# Altium PCB GroundSupport.PcbDoc
Units mm, origin at the board's own origin, x right, y up, seen from the top; angles counter-clockwise.
Board outline 215 x 187.5 mm, 4 copper layers (Top Layer, GND, PWR, Bottom Layer), stack 0.603 mm thick; 23 components, 37 nets, 169 pads, 12 vias.
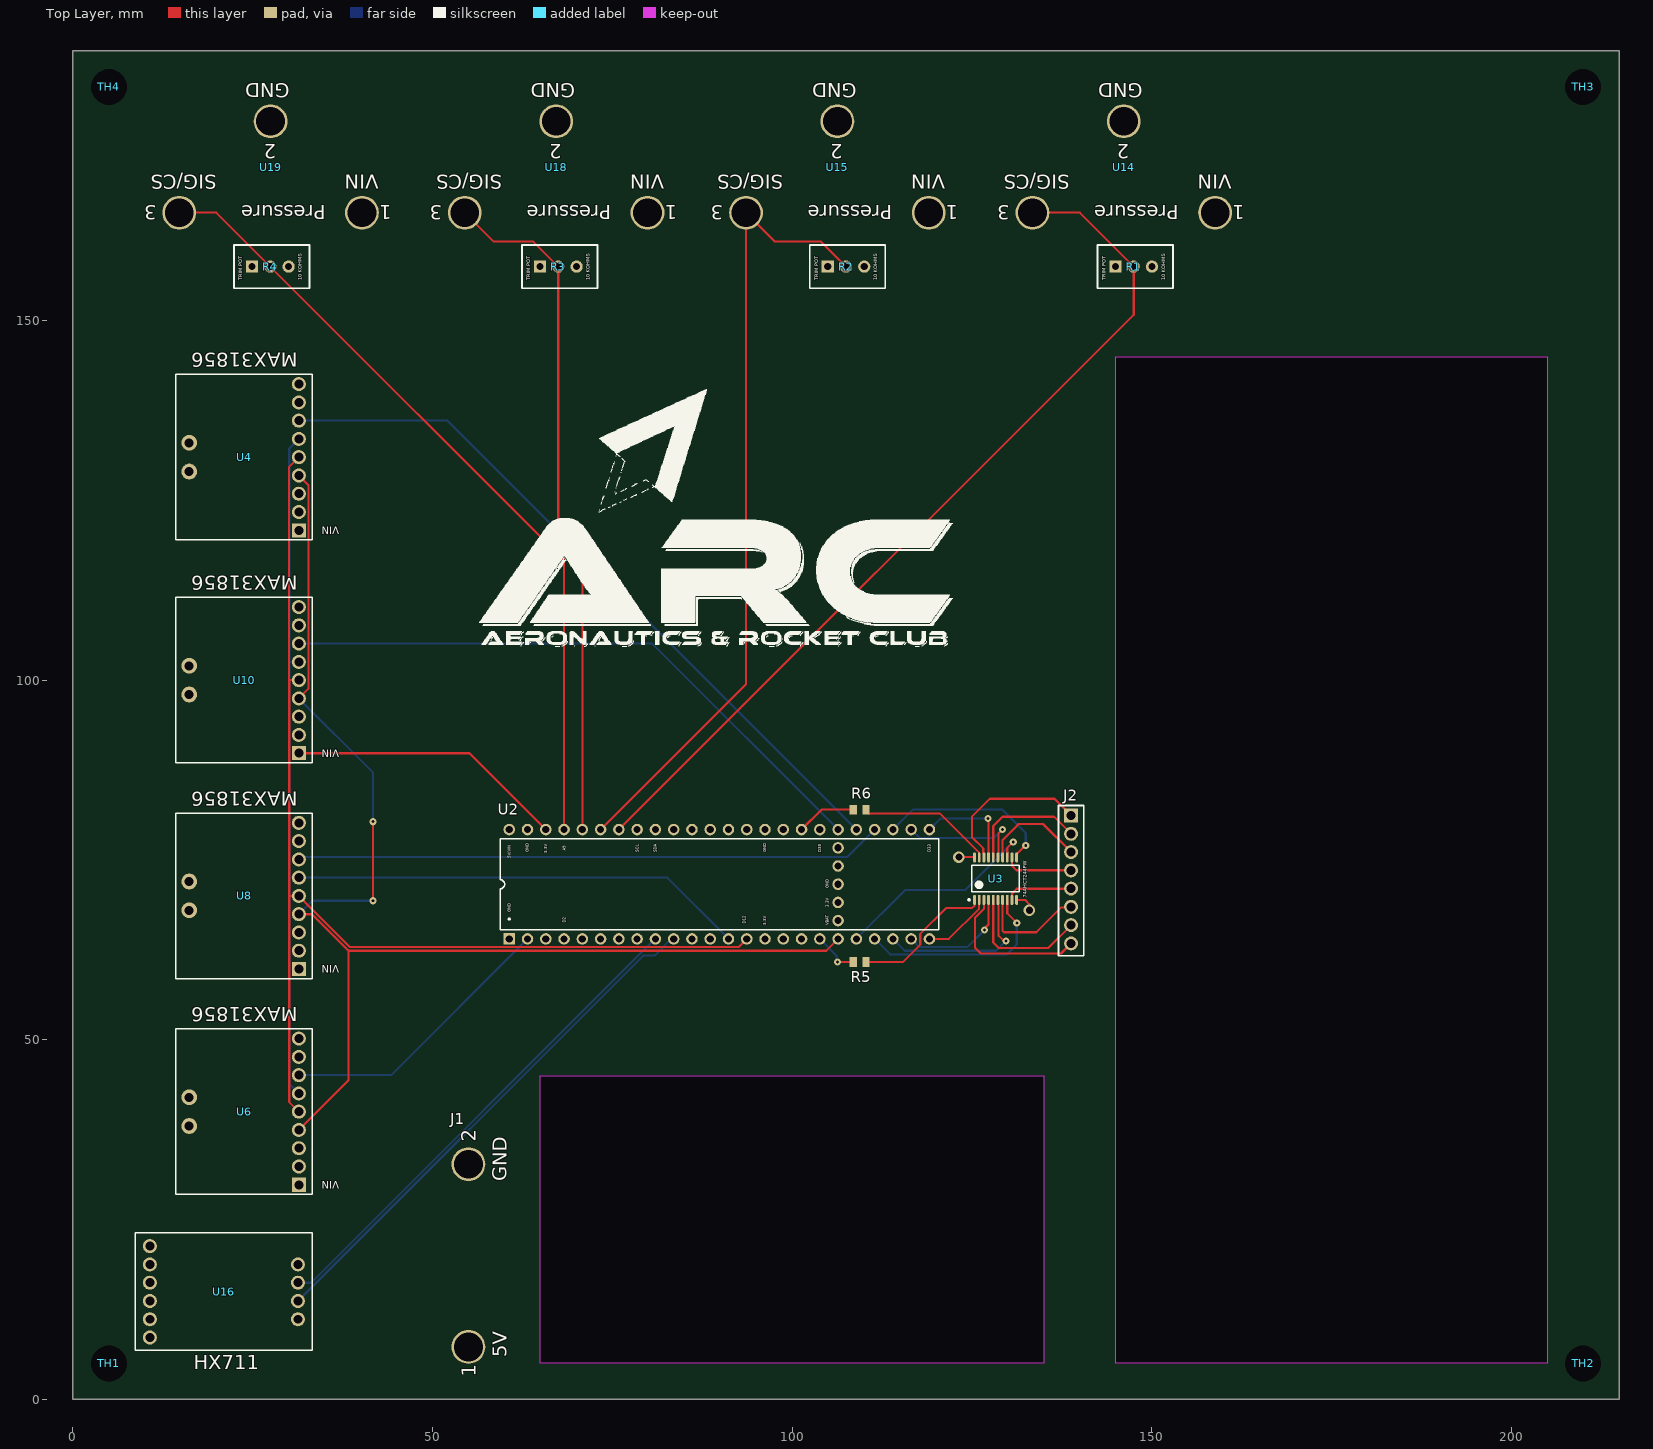
[diagram p0: Top Layer view]
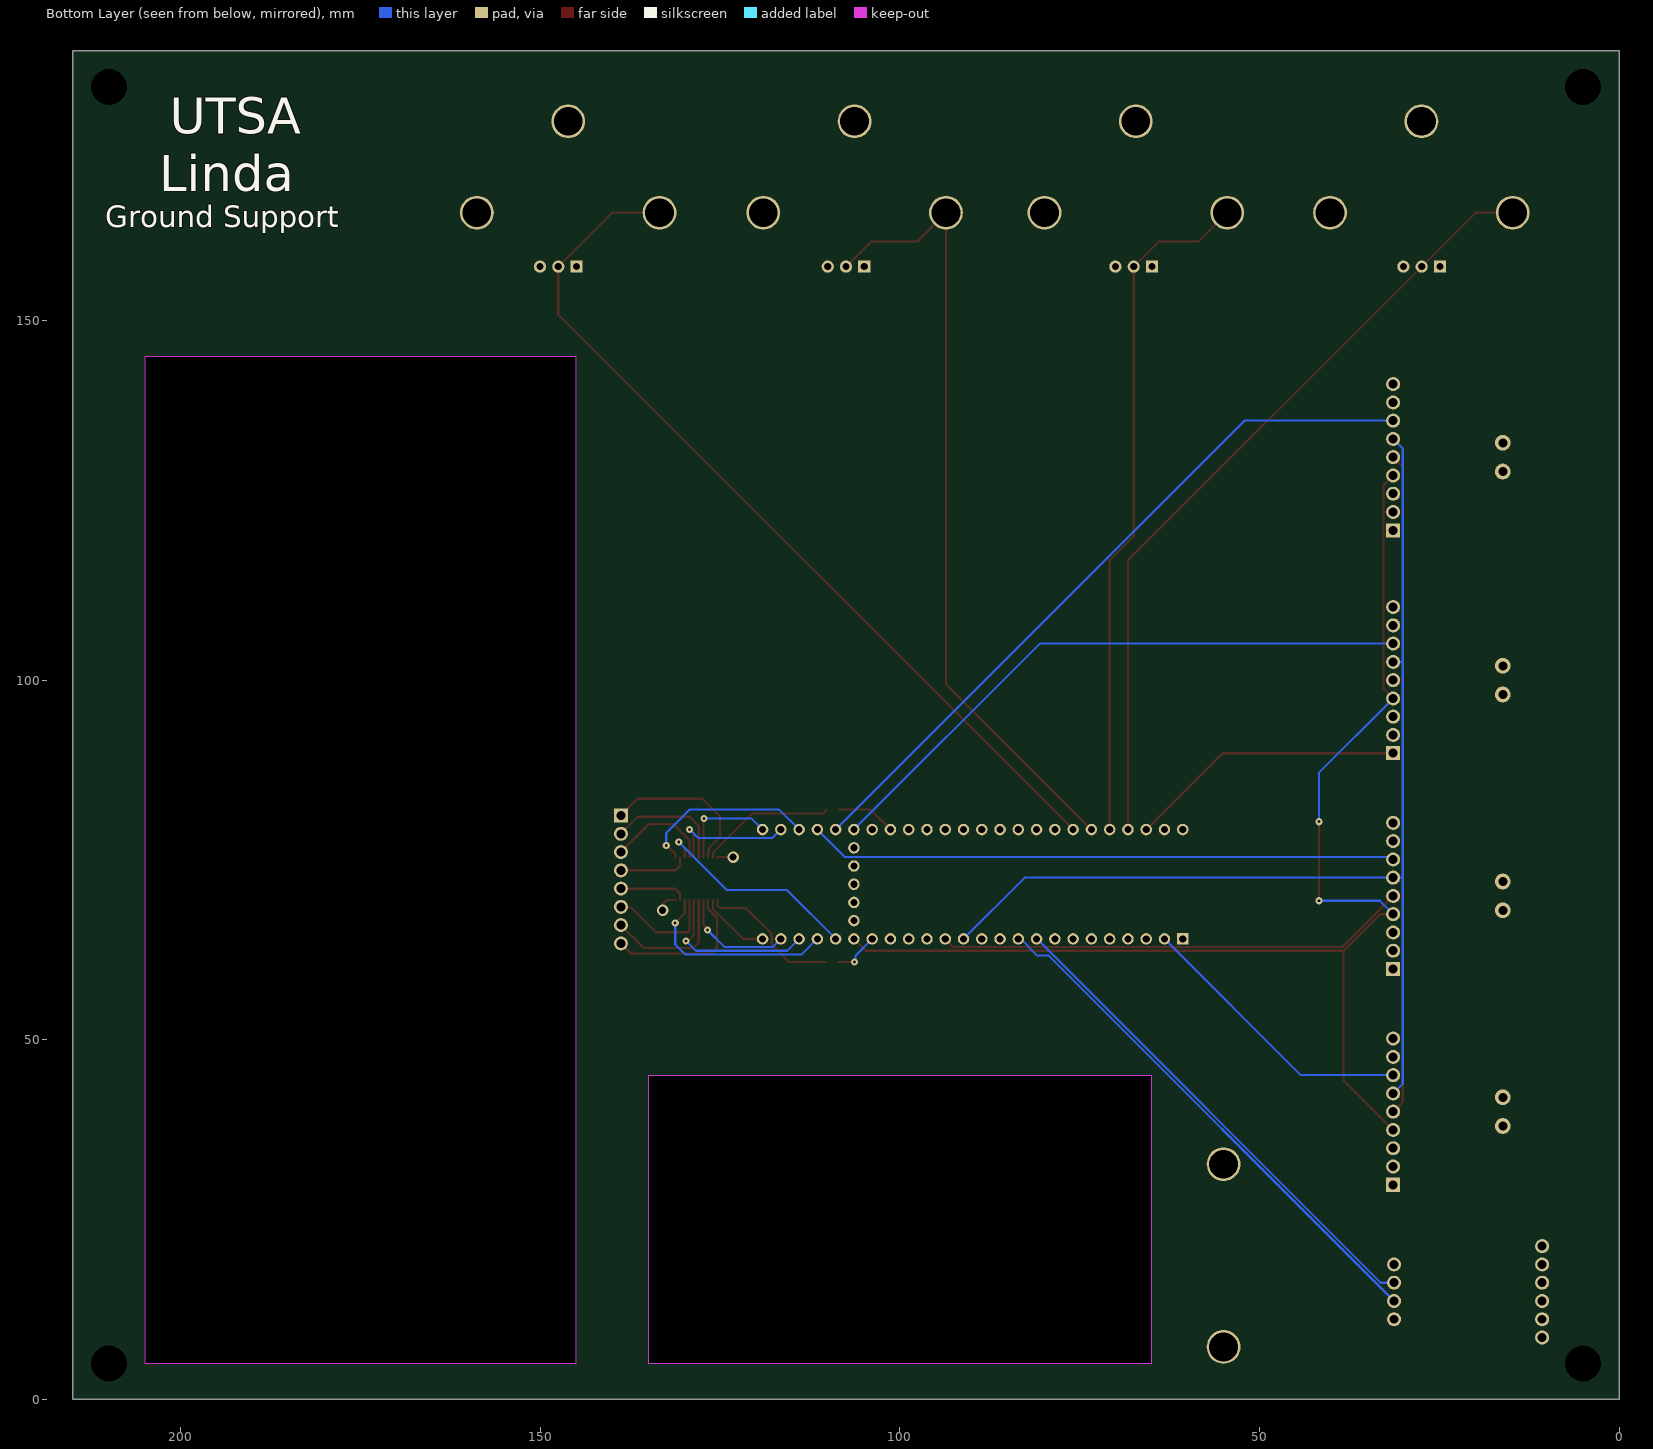
[diagram p1: Bottom Layer view, seen from below]
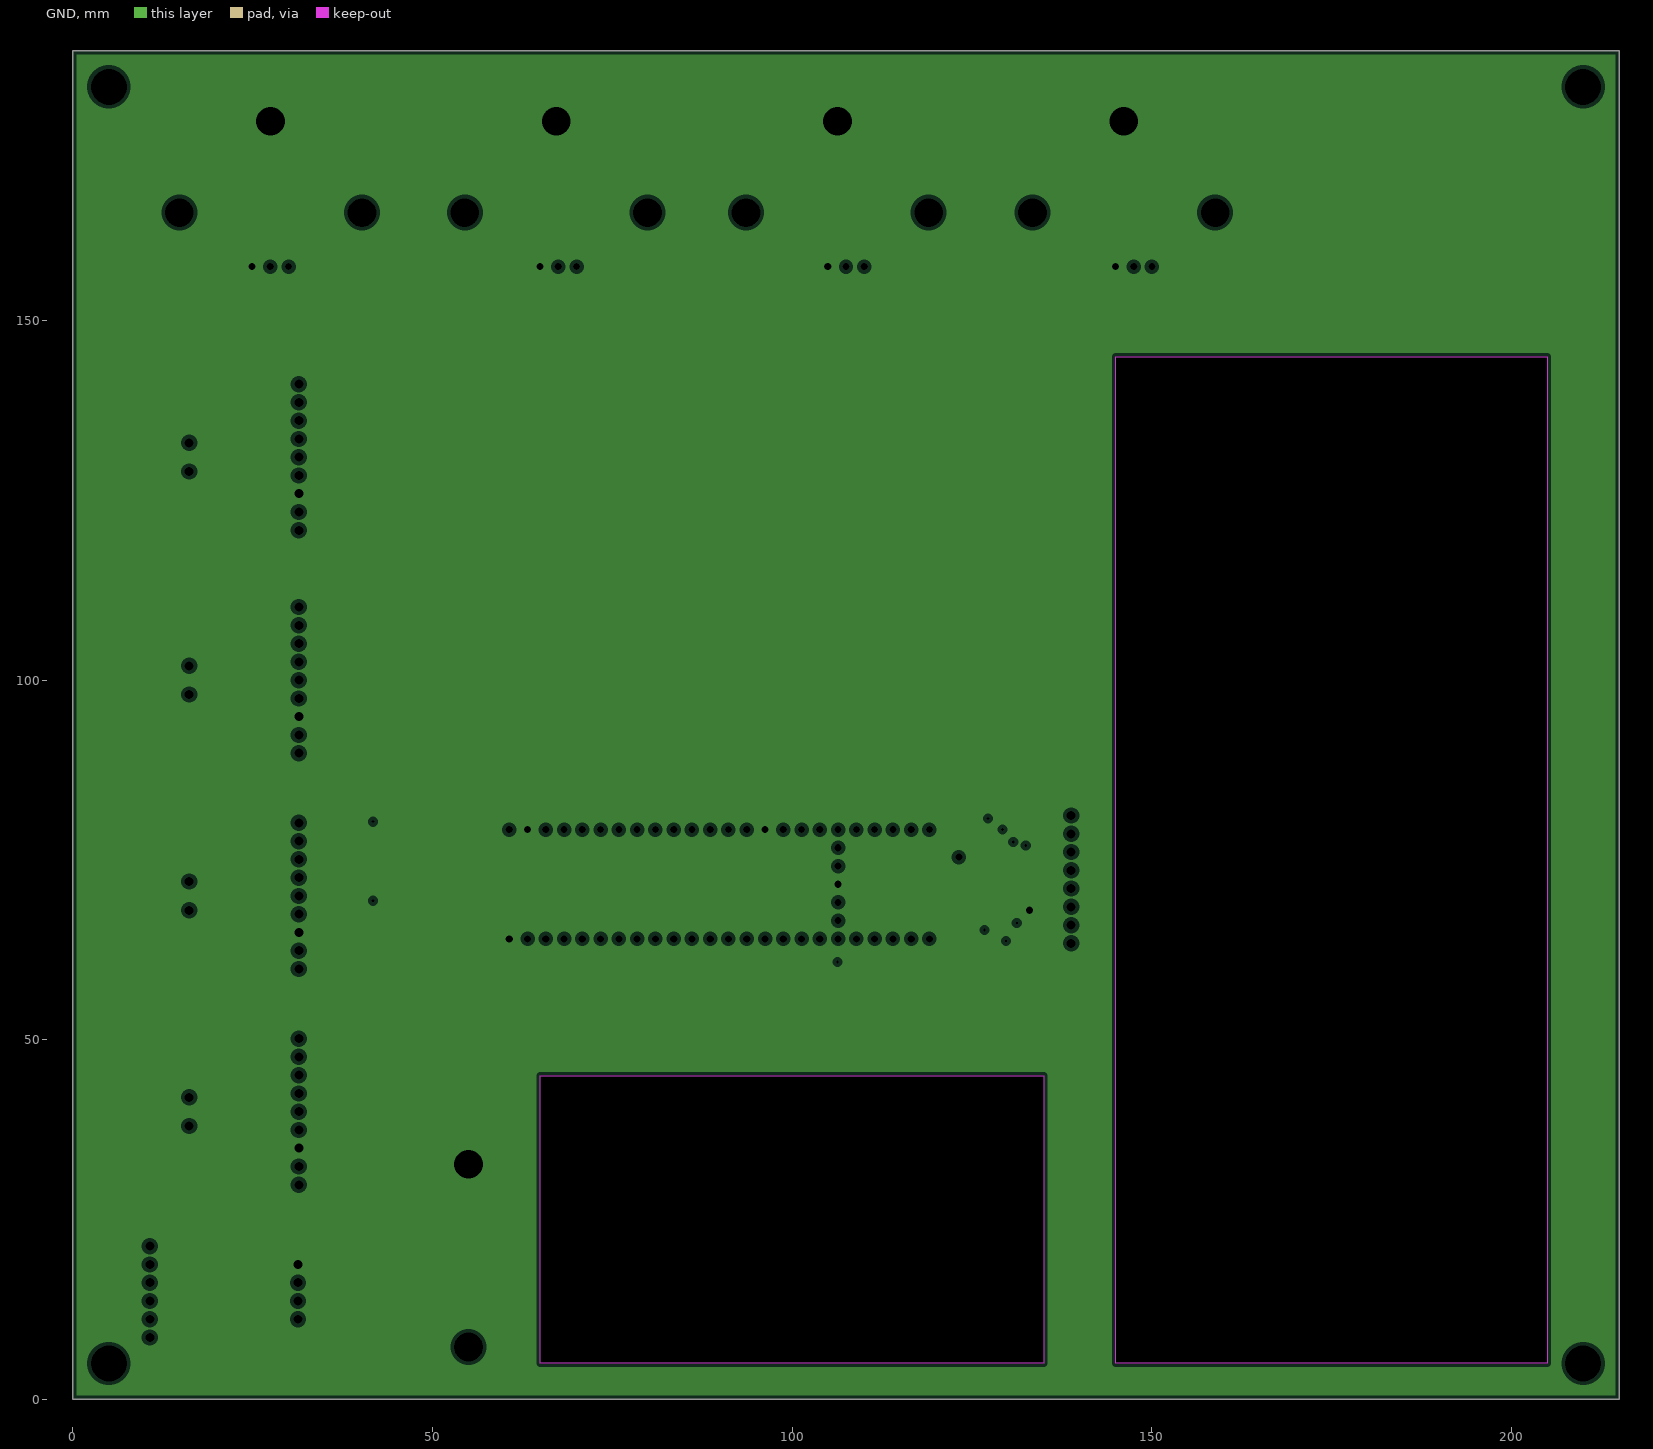
[diagram p2: GND, clearances drawn from the general rule]
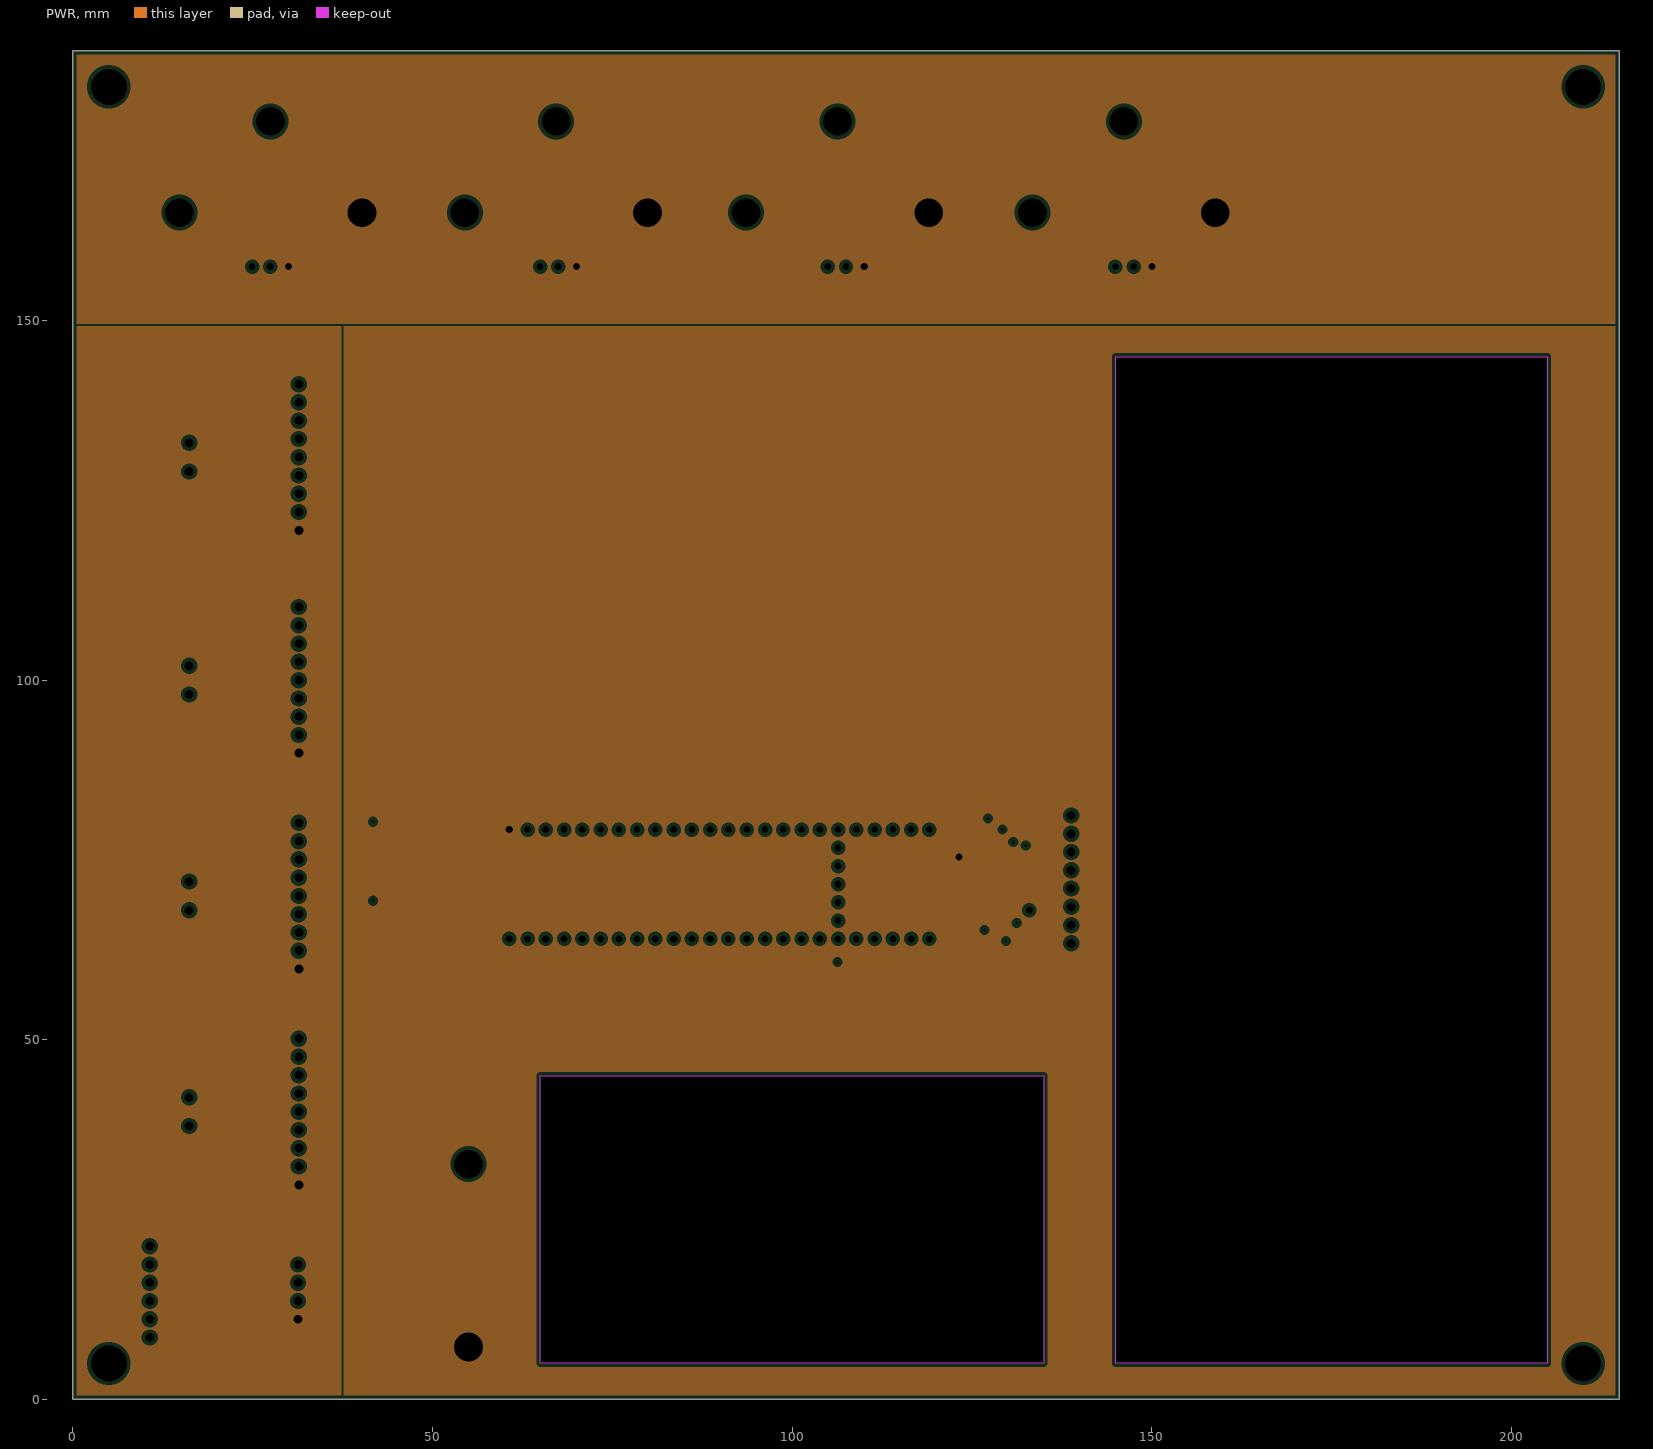
[diagram p3: PWR, clearances drawn from the general rule]

## Layer stack, top to bottom
Top Solder: solder mask 0.0102, Solder Resist, Dk 3.5
Top Layer: signal copper 0.0356
Dielectric 2: prepreg 0.0711, PP-006, Dk 4.1
GND: plane copper 0.035, net GND
Dielectric 1: dielectric 0.32, FR-4, Dk 4.8
PWR: plane copper 0.035, net (Multiple Nets)
Dielectric 3: prepreg 0.0711, PP-006, Dk 4.1
Bottom Layer: signal copper 0.0356
Bottom Solder: solder mask 0.0102, Solder Resist, Dk 3.5

## Board outline
0,0 0,187.5 215,187.5 215,0
cut-out: 145,145 205,145 205,5 145,5
cut-out: 65,45 135,45 135,5 65,5

## Design rules (kind name [scope] priority, off if disabled: settings)
BoardOutlineClearance [All] p1: gap=0.2 ignorepadtopadclearanceinfootprint=FALSE
Clearance [All] p1: gap=0.2 ignorepadtopadclearanceinfootprint=TRUE
Clearance ClearanceDifferentNets [All] p2: gap=0.254 ignorepadtopadclearanceinfootprint=TRUE except(0.127: Arc-Arc Arc-Track Track-Track SMDPad-SMDPad; 0.2: Arc-SMDPad Arc-THPad Track-SMDPad Track-THPad; 0.5: THPad-THPad)
HoleSize [All] p1: absolutevalues=TRUE maxlimit=6.3 minlimit=0.2 maxpercent=80.000 minpercent=20.000
HoleSize NPTHSize [InDrillLayerPair('Top Layer - Bottom Layer')] p2: absolutevalues=TRUE maxlimit=6.3 minlimit=0.5 maxpercent=80.000 minpercent=20.000 // Non-Plated
HoleToHoleClearance [All] p1: gap=0.5 allowstackedmicrovias=TRUE
MinimumAnnularRing [All] p1: minimumring=0.25
MinimumSolderMaskSliver [All] p1: minsoldermaskwidth=0
PlaneClearance [All] p1: clearance=0.508
PlaneConnect [All] p1: planeconnectstyle=Relief reliefexpansion=0.508 reliefentries=4 reliefconductorwidth=0.254 reliefairgap=0.254
PlaneConnect GNDPlaneConnect [InNet('GND')] p2: planeconnectstyle=Relief reliefexpansion=0.508 reliefentries=4 reliefconductorwidth=0.254 reliefairgap=0.254
PlaneConnect 5VPlaneConnect [InNet('5V')] p3: planeconnectstyle=Relief reliefexpansion=0.508 reliefentries=4 reliefconductorwidth=0.254 reliefairgap=0.254
PolygonConnect [All] p1: connectstyle=Relief reliefconductorwidth=0.254 reliefentries=4 polygonreliefangle="90 Angle" airgapwidth=0.254
RoutingTopology [InNet('3.3V')] p1: topology=Vertical
RoutingVias [All] p1: holewidth=0.5 width=0.9 viastyle="Through Hole" minholewidth=0.3 minwidth=0.9 maxholewidth=1 maxwidth=1.6
SMDNeckDown [InNet('VDARLING')] p1: percent=50.000
SolderMaskExpansion [InPadClass('All Pads')] p1: expansion=0.05 istentingtop=FALSE
Width [All] p1: maxlimit=3 minlimit=0.127 preferedwidth=0.3
24 further rules are at their usual default settings.

## Components (designator, comment, footprint, x,y, rotation, side; value= is the part's Value field where it differs from the comment)
J1 "2-Hole Power" "2-PIN POWER 5VDC" 55,20 r90 top
J2 "8xHeader 2.54mm" 1X8HEADERPINS 138.8,72.29 r0 top
R1 "POT 10 kOhms" "3296WL 10K POT" 144.96,157.5 r90 top value=10kR
R2 "POT 10 kOhms" "3296WL 10K POT" 104.96,157.5 r90 top value=10kR
R3 "POT 10 kOhms" "3296WL 10K POT" 64.96,157.5 r90 top value=10kR
R4 "POT 10 kOhms" "3296WL 10K POT" 24.92,157.5 r90 top value=10kR
R5 "1 kOhms" RESC2012X06N 109.4,60.8 r180 top value=1kR
R6 "1 kOhms" RESC2012X06N 109.4,82 r180 top value=1kR
TH1 "TH5MM" "MOUNTING HOLE NON-PLATED"#1 5,5 r0 top
TH2 "TH5MM" "MOUNTING HOLE NON-PLATED"#1 210,5 r0 top
TH3 "TH5MM" "MOUNTING HOLE NON-PLATED"#2 225,182.5 r0 top
TH4 "TH5MM" "MOUNTING HOLE NON-PLATED"#1 5,182.5 r0 top
U2 "Teensy 4.1" "TEENSY 4.1" 89.89,71.625 r90 top
U3 "74AHCT244PW" 74AHCT244PW 128.3,72.4 r90 top
U4 "MAX31856 Breakout" "MAX31856 BREAKOUT" 23.8,131 r180 top
U6 "MAX31856 Breakout" "MAX31856 BREAKOUT" 23.8,40 r180 top
U8 "MAX31856 Breakout" "MAX31856 BREAKOUT" 23.8,70 r180 top
U10 "MAX31856 Breakout" "MAX31856 BREAKOUT" 23.8,100 r180 top
U14 "Pressure Transducer" "3-PIN AVIATION CONNECTOR" 146.125,165 r180 top
U15 "Pressure Transducer" "3-PIN AVIATION CONNECTOR" 106.3,165 r180 top
U16 "HX711 Module" "HX711 MODULE" 21,15 r0 top
U18 "Pressure Transducer" "3-PIN AVIATION CONNECTOR" 67.2,165 r180 top
U19 "Pressure Transducer" "3-PIN AVIATION CONNECTOR" 27.5,165 r180 top

## Footprints (in the part's own frame and the unit in brackets; to place one, negate y for a bottom-side part, rotate by r counter-clockwise, add the part's x,y. Pads: shape width x height; smd on the part's side, far side on the other; paste and mask are expansions set on the pad)
1X8HEADERPINS [mm]
  rect 1.95x1.95 hole 1.25: 1(0,8.89)
  round 1.95 hole 1.25: 2(0,6.35) 3(0,3.81) 4(0,1.27) 5(0,-1.27) 6(0,-3.81) 7(0,-6.35) 8(0,-8.89)
  silkscreen extent -1.75,-10.6 1.75,10.3, body extent -1.27,-10.29 1.27,10.03, height 9.5
"2-PIN POWER 5VDC" [mm]
  round 4.7 hole 4: 1(-12.7,0) 2(12.7,0)
"3-PIN AVIATION CONNECTOR" [mm]
  round 4.7 hole 4: 1(-12.7,0) 2(0,-12.7) 3(12.7,0)
74AHCT244PW [mm] "TSOP, 20-Leads, Body 6.50x4.40mm, Pitch 0.65mm, IPC Medium Density"
  oval 1.4x0.4 smd mask+0.05: 1(-2.95,2.925) 2(-2.95,2.275) 3(-2.95,1.625) 4(-2.95,0.975) 5(-2.95,0.325) 6(-2.95,-0.325) 7(-2.95,-0.975) 8(-2.95,-1.625) 9(-2.95,-2.275) 10(-2.95,-2.925) 11(2.95,-2.925) 12(2.95,-2.275) 13(2.95,-1.625) 14(2.95,-0.975) 15(2.95,-0.325) 16(2.95,0.325) 17(2.95,0.975) 18(2.95,1.625) 19(2.95,2.275) 20(2.95,2.925)
  silkscreen extent -3.07,-3.3 1.85,3.82, body extent -3.2,-3.3 3.2,3.3, height 1.1
"3296WL 10K POT" [mm]
  rect 1.7x1.7 hole 1: 1(0,0)
  round 1.7 hole 1: 2(0,-2.54) 3(0,-5.08)
  silkscreen extent -3,-8 3,2.5, body extent -2.54,-7.57 2.41,1.96, height 9.6
"HX711 MODULE" [mm]
  round 1.95 hole 1.25: 1(-10.3,6.3) 2(-10.3,3.76) 3(-10.3,1.22) 4(-10.3,-1.32) 5(-10.3,-3.86) 6(-10.3,-6.4) 7(10.3,-3.86) 8(10.3,-1.32) 9(10.3,1.22) 10(10.3,3.76)
  silkscreen extent -12.3,-8.2 12.3,8.2
"MAX31856 BREAKOUT" [mm]
  rect 1.95x1.95 hole 1.25: 1(-7.62,10.16)
  round 1.95 hole 1.25: 2(-7.62,7.62) 3(-7.62,5.08) 4(-7.62,2.54) 5(-7.62,0) 6(-7.62,-2.54) 7(-7.62,-5.08) 8(-7.62,-7.62) 9(-7.62,-10.16)
  round 2.2 hole 1.25 mask+0.15: 10(7.62,-2)
  round 2.2 hole 1.25 paste+0 mask+0.15: 11(7.62,2)
  silkscreen extent -9.5,-11.5 9.5,11.5
"MOUNTING HOLE NON-PLATED"#1 [mm]
  round 0 hole 5 unplated: "Mounting Hole Non-Plated"(0,0)
"MOUNTING HOLE NON-PLATED"#2 [mm]
  round 0 hole 5 unplated: "Mounting Hole Non-Plated"(-15,0)
RESC2012X06N [mm] "Chip Resistor, 2-Leads, Body 2.00x1.25mm, IPC Medium Density"
  rect 1x1.35 smd: 1(-0.9,0) 2(0.9,0)
  body extent -1.05,-0.67 1.05,0.67, height 0.6
"TEENSY 4.1" [mm]
  rect 1.6x1.6 hole 1: 1(-7.6,29.21)
  round 1.6 hole 1: 2(-7.6,26.67) 3(-7.6,24.13) 4(-7.6,21.59) 5(-7.6,19.05) 6(-7.6,16.51) 7(-7.6,13.97) 8(-7.6,11.43) 9(-7.6,8.89) 10(-7.6,6.35) 11(-7.6,3.81) 12(-7.6,1.27) 13(-7.6,-1.27) 14(-7.6,-3.81) 15(-7.6,-6.35) 16(-7.6,-8.89) 17(-7.6,-11.43) 18(-7.6,-13.97) 19(-7.6,-16.51) 20(-7.6,-19.05) 21(-7.6,-21.59) 22(-7.6,-24.13) 23(-7.6,-26.67) 24(-7.6,-29.21) 25(7.6,-29.21) 26(7.6,-26.67) 27(7.6,-24.13) 28(7.6,-21.59) 29(7.6,-19.05) 30(7.6,-16.51) 31(7.6,-13.97) 32(7.6,-11.43) 33(7.6,-8.89) 34(7.6,-6.35) 35(7.6,-3.81) 36(7.6,-1.27) 37(7.6,1.27) 38(7.6,3.81) 39(7.6,6.35) 40(7.6,8.89) 41(7.6,11.43) 42(7.6,13.97) 43(7.6,16.51) 44(7.6,19.05) 45(7.6,21.59) 46(7.6,24.13) 47(7.6,26.67) 48(7.6,29.21) 49(-5.06,-16.51) 50(-2.53,-16.51) 51(0,-16.51) 52(2.53,-16.51) 53(5.06,-16.51)
  silkscreen extent -6.3,-30.48 6.3,30.48, body extent -9.09,-30.61 8.69,31.05, height 2.45

## Part data
R1 R2 R3 R4: library part 3296W-1-103LF, "10 kOhms 0.5W, 1/2W PC Pins Through Hole Trimmer Potentiometer Cermet 25.0 Turn Top Adjustment", Case/Package=3819, Manufacturer=Bourns, Max Operating Temperature=125°C, Min Operating Temperature=-55°C, Package Height=10.03mm, Package Length=9.53mm, Package Shape=Rectangular, Package Style="PCB MountMeter", Package Width=4.83mm, Power=500mW, Rated Temperature=70°C, Resistance Law=Linear, Resistor Type=TRIMMER, Supplier Part Number=3296W-103LF-ND, Temperature Coefficient=-100100ppm/°C, Tolerance=10%, Actuator Orientation=Vertical, Actuator Type=SCREW, Category="Variable Resistors and Potentiometers", ComponentLink1Description=https://datasheet.ciiva.com:443/pdfs/VipMasterIC/IC/BOUR/BOUR-S-A0008796795/BOUR-S-A0008796795-1.pdf?src-supplier=IHS+Markit, ComponentLink1URL=https://datasheet.ciiva.com:443/pdfs/VipMasterIC/IC/BOUR/BOUR-S-A0008796795/BOUR-S-A0008796795-1.pdf?src-supplier=IHS+Markit, ComponentLink2Description=https://datasheet.ciiva.com/19454/853572-19454866.pdf?src-supplier=Jameco, ComponentLink2URL=https://datasheet.ciiva.com/19454/853572-19454866.pdf?src-supplier=Jameco, ComponentLink3Description=https://datasheet.ciiva.com/14173/ew3296-dat-e-14173022.pdf?src-supplier=Distrelec, ComponentLink3URL=https://datasheet.ciiva.com/14173/ew3296-dat-e-14173022.pdf?src-supplier=Distrelec, ComponentLink4Description=https://datasheet.ciiva.com/18411/70153578-18411561.pdf?src-supplier=Allied+Electronics, ComponentLink4URL=https://datasheet.ciiva.com/18411/70153578-18411561.pdf?src-supplier=Allied+Electronics, ComponentLink5Description=https://datasheet.ciiva.com/1131/1815117-1131273.pdf?src-supplier=Element14, ComponentLink5URL=https://datasheet.ciiva.com/1131/1815117-1131273.pdf?src-supplier=Element14, ComponentLink6Description=https://datasheet.ciiva.com/3266/3296-3266187.pdf?src-supplier=Avnet, ComponentLink6URL=https://datasheet.ciiva.com/3266/3296-3266187.pdf?src-supplier=Avnet, ComponentLink7Description=https://datasheet.ciiva.com/2156/3296-2156893.pdf?src-supplier=Digi-Key, ComponentLink7URL=https://datasheet.ciiva.com/2156/3296-2156893.pdf?src-supplier=Digi-Key, Construction="Trimmer Pot", JESD-609 Code=e3, Lead Diameter=0.51mm, Lead Length=6.4mm, Manufacturer Part Number=3296W-1-103LF, Mounting Technology="Through Hole", Number of Turns=25, Packaging=Rail/Tube, Pins=3, Pricing="1=2.43000, 10=2.13800, 25=1.91680, 50=1.84320, 100=1.76950, 250=1.69580, 500=1.40088, 1000=1.32714, 5000=1.10595 (USD)", Reach SVHC Compliant=No, RoHS=Yes, RoHS Compliant=Yes, Rotational Angle=9000°, Stock=20859, Supplier=Digi-Key, Technology=CERMET, Terminal Finish=Tin, Termination=Wire
R5 R6: library part "RC0805FR-7W1KL Yageo", "1 kOhms ±1% 0.25W, 1/4W Chip Resistor 0805 (2012 Metric) Moisture Resistant Thick Film", Case/Package=0805, Manufacturer=Yageo, Manufacturer Part Number=RC0805FR-7W1KL, Supplier Part Number 1=13-RC0805FR-7W1KLTR-ND, Tolerance=1%, Category="Chip SMD Resistors", Pricing 1="5000=0.01838, 10000=0.01715, 25000=0.01629, 50000=0.01596, 125000=0.01562 (USD)", RoHS=Yes, RoHS Compliant=Yes, Stock 1=15000, Supplier 1=Digi-Key
TH1 TH2 TH3 TH4: library part "Mounting Hole Non-Plated", "Non-plated THT 5mm diameter"
U2: "RT1062 Teensy 4.1 - ARM® Cortex®-M7 MCU 32-Bit Embedded Evaluation Board 600 MHz 100 mA RTC Built-in microSD Card reader Arduino IDE compatible", Manufacturer=SparkFun, Manufacturer Part Number=DEV-16996, Supplier Part Number 1=1568-DEV-16996-ND, Category="Embedded Processors and Controllers", Pricing 1="1=31.88000 (USD)", RoHS=No, Stock 1=300, Supplier 1=Digi-Key
U3: "Octal Tri-State Buffer NON-INVERT 5.5V 20TSSOP", Case/Package=TSSOP, High Level Output Current=-8mA, Low Level Output Current=8mA, Manufacturer="NXP Semiconductors", Manufacturer Part Number=74AHCT244PW,118, Max Operating Temperature=125°C, Max Supply Voltage=5.5V, Min Operating Temperature=-40°C, Min Supply Voltage=4.5V, Operating Supply Voltage=5V, Package Quantity=2500, Quiescent Current=4uA, Supplier Part Number 1=1727-4002-2-ND, Category=Uncategorized, ComponentLink1Description=https://datasheet.ciiva.com/1832/74ahc-ahct244-1832788.pdf?src-supplier=Digi-Key, ComponentLink1URL=https://datasheet.ciiva.com/1832/74ahc-ahct244-1832788.pdf?src-supplier=Digi-Key, ComponentLink2Description=https://datasheet.ciiva.com/1832/74ahc-ahct244-1832789.pdf?src-supplier=Digi-Key, ComponentLink2URL=https://datasheet.ciiva.com/1832/74ahc-ahct244-1832789.pdf?src-supplier=Digi-Key, ComponentLink3Description=https://datasheet.ciiva.com/1832/74ahc-ahct244-1832790.pdf?src-supplier=Digi-Key, ComponentLink3URL=https://datasheet.ciiva.com/1832/74ahc-ahct244-1832790.pdf?src-supplier=Digi-Key, ComponentLink4Description=https://datasheet.ciiva.com/1832/74ahc-ahct244-1832792.pdf?src-supplier=Digi-Key, ComponentLink4URL=https://datasheet.ciiva.com/1832/74ahc-ahct244-1832792.pdf?src-supplier=Digi-Key, Contact Plating=Gold, Lead Free="Lead Free", Logic Function=Buffer,Inverting, Mounting Technology="Surface Mount", Number of Bits per Element=4, Number of Channels=8, Number of Elements=2, Number of Input Lines=8, Number of Inputs=8, Number of Output Lines=8, Number of Outputs=8, Output Type=3-STATE, Packaging="Tape and Reel", Pins=20, Polarity=Non-Inverting, Propagation Delay=8.4ns, Radiation Hardening=No, RoHS=Yes, RoHS Compliant=Yes, Series=74AHCT, Supplier 1=Digi-Key, Technology=CMOS, Turn-On Delay Time=14.5ns
U4 U6 U8 U10: "Thermocouple amplifier works with any K, J, N, R, S, T, E, or B type thermocouple -210°C to +1800°C output in 0.0078125° resolution 3.3 to 5v power supply and logic level compliant SPI protocol"

## Via types
v1: diameter 1, hole 0.4, Top Layer to Bottom Layer, 10 vias
v2: diameter 1.6, hole 1, Top Layer to Bottom Layer, 2 vias

## Nets (pads, with @x,y where several pads share a name; then routed paths per layer and width w, separated by ;. In a path a pad name is that pad's centre, name@x,y a point inside that pad or via, vN(x,y) a via of type N, cw(c..) or ccw(c..) an arc to the next point about the centre after c; other vN are vias at no path point)
3.3V: U2.46 U4.1 U6.1 U8.1 U10.1 U16.7 | length 38.7
  Top Layer w0.3: U10.1 55.145,89.84 U2.46
5V: J1.1 U2.48 U3.20 | length 2.2
  Top Layer w0.3: v2(123.2,75.4) 125.329,75.4 125.375,75.354 U3.20
12V: R1.3 R2.3 R3.3 R4.3 U14.1 U15.1 U18.1 U19.1
BUFF_1O\E\: R5.1 U3.1 | length 20
  Top Layer w0.3: R5.1 115.4,60.8 117.825,63.225 117.825,64.725 121.4,68.3 125,68.3 125.356,68.656 125.356,69.431 U3.1
BUFF_2O\E\: R6.1 U3.19 | length 18.9
  Top Layer w0.3: R6.1 110.3,81.825 110.65,81.475 120.528,81.475 126.006,75.997 126.006,75.369 U3.19
GND: J1.2 R1.1 R2.1 R3.1 R4.1 U2.1 U2.34 U2.47 U2.51 U3.10 U4.3 U6.3 U8.3 U10.3 U14.2 U15.2 U16.10 U18.2 U19.2 | length 2.9
  Top Layer w0.3: U3.10 132.4,69.45 133,68.85 v2(133,68)
HX711_SCK: U2.10 U16.8 | length 73.1
  Bottom Layer w0.3: U16.8 79.32,61.7 80.9,61.7 83.225,64.025 U2.10
Relay_IN1: J2.1 U3.18 | length 22.1
  Top Layer w0.3: U3.18 126.675,75.877 126.575,75.977 126.575,76.607 125,78.182 125,81 127.5,83.5 136.48,83.5 J2.1
Relay_IN2: J2.2 U3.16 | length 16.7
  Top Layer w0.3: U3.16 127.975,79.725 129.25,81 136.44,81 J2.2
Relay_IN3: J2.3 U3.14 | length 14.5
  Top Layer w0.3: U3.14 129.275,77.775 131.5,80 134.9,80 J2.3
Relay_IN4: J2.4 U3.12 | length 9.7
  Top Layer w0.3: U3.12 130.575,74.175 131.19,73.56 J2.4
Relay_IN5: J2.5 U3.9 | length 9.4
  Top Layer w0.3: U3.9 130.575,70.325 131.25,71 138.78,71 J2.5
Relay_IN6: J2.6 U3.7 | length 15.4
  Top Layer w0.3: U3.7 129.275,65.125 129.451,64.949 133.949,64.949 137.375,68.375 138.695,68.375 J2.6
Relay_IN7: J2.7 U3.5 | length 18.4
  Top Layer w0.3: U3.5 127.975,63.525 128.75,62.75 135.61,62.75 J2.7
Relay_IN8: J2.8 U3.3 | length 21.5
  Top Layer w0.3: U3.3 126.675,68.193 125.425,66.943 125.425,62.8 126.225,62 137.4,62 J2.8
Sensor_HX711: U2.9 U16.9 | length 69.5
  Bottom Layer w0.3: U16.9 33.133,16.22 80.938,64.025 U2.9
Teensy_1O\E\: R5.2 U2.18 | length 6.4
  Top Layer w0.3: v1(106.3,60.8) R5.2
  Bottom Layer w0.3: U2.18 106.166,61.719 106.166,60.934 v1(106.3,60.8)
Teensy_2O\E\: R6.2 U2.32 | length 8.3
  Top Layer w0.3: U2.32 104.095,82 R6.2
Teensy_A6: R1.2 U2.42 U14.3 | length 125.1
  Top Layer w0.3: U2.42 147.5,150.805 R1.2 140,165 U14.3
Teensy_A7: R2.2 U2.43 U15.3 | length 111.2
  Top Layer w0.3: U2.43 93.6,99.445 U15.3 97.629,160.971 104.029,160.971 R2.2
Teensy_A8: R3.2 U2.44 U18.3 | length 95.8
  Top Layer w0.3: U18.3 58.529,160.971 64.029,160.971 R3.2 67.5,120.019 70.84,116.679 U2.44
Teensy_A9: R4.2 U2.45 U19.3 | length 111
  Top Layer w0.3: U19.3 19.96,165 R4.2 68.3,116.66 U2.45
Teensy_CS1: U2.2 U6.7 | length 39.6
  Bottom Layer w0.3: U6.7 44.275,45.08 U2.2
Teensy_CS2: U2.28 U8.7 | length 81.8
  Bottom Layer w0.3: U8.7 31.736,75.396 32.416,75.396 32.421,75.4 107.655,75.4 U2.28
Teensy_CS3: U2.30 U10.7 | length 85.7
  Bottom Layer w0.3: U10.7 80.545,105.08 U2.30
Teensy_CS4: U2.29 U4.7 | length 101.1
  Bottom Layer w0.3: U4.7 52.085,136.08 U2.29
Teensy_IN1: U2.24 U3.2 | length 9.9
  Top Layer w0.3: U2.24 121.8,64.025 126.006,68.231 126.006,69.431 U3.2
Teensy_IN2: U2.23 U3.4 | length 16.1
  Top Layer w0.3: v1(126.75,65.25) 126.75,65.439 127.325,66.014 U3.4
  Bottom Layer w0.3: U2.23 117.71,62.875 124.375,62.875 v1(126.75,65.25)
Teensy_IN3: U2.22 U3.6 | length 23.3
  Top Layer w0.3: U3.6 128.625,68.923 128.725,68.823 128.725,64.464 129.305,63.884 129.616,63.884 v1(129.75,63.75)
  Bottom Layer w0.3: U2.22 115.67,62.375 128.375,62.375 v1(129.75,63.75)
Teensy_IN4: U2.21 U3.8 | length 28
  Top Layer w0.3: U3.8 129.925,67.575 v1(131.25,66.25)
  Bottom Layer w0.3: U2.21 113.63,61.875 129.875,61.875 131.25,63.25 v1(131.25,66.25)
Teensy_IN5: U2.25 U3.17 | length 14.2
  Top Layer w0.3: v1(127.25,80.75) 127.325,80.675 U3.17
  Bottom Layer w0.3: U2.25 120.625,80.75 v1(127.25,80.75)
Teensy_IN6: U2.26 U3.15 | length 17.8
  Top Layer w0.3: U3.15 128.625,75.877 128.725,75.977 128.725,78.724 v1@129.25,79.249 ; v1(129.25,79.25) v1@129.25,79.28
  Bottom Layer w0.3: U2.26 117.71,78.075 128.075,78.075 v1(129.25,79.25)
Teensy_IN7: U2.20 U3.13 | length 29.9
  Top Layer w0.3: U3.13 129.925,76.675 v1(130.75,77.5)
  Bottom Layer w0.3: U2.20 115.735,70.82 124.07,70.82 v1(130.75,77.5)
Teensy_IN8: U2.27 U3.11 | length 25
  Top Layer w0.3: U3.11 131.225,75.823 132.402,77 v1(132.5,77)
  Bottom Layer w0.3: U2.27 116.795,82 129.25,82 132.5,78.75 v1(132.5,77)
Teensy_MISO: U2.14 U4.5 U6.5 U8.5 U10.5 | length 160.5
  Top Layer w0.3: 30.095,100 30.095,70 ; U6.5 30.095,41.325 30.095,70 ; U10.5 30.076,100 30.076,129.656 U4.5 ; U2.14 92.55,62.875 38.545,62.875 U8.5 30.095,70
Teensy_MOSI: U2.13 U4.6 U6.6 U8.6 U10.6 | length 158
  Bottom Layer w0.3: U6.6 30.095,43.865 30.095,72.54 ; U10.6 30.095,102.54 ; U4.6 30.095,132.215 30.095,102.54 ; U2.13 82.645,72.54 U8.6 30.095,72.54 ; 30.095,72.54 30.095,102.54
Teensy_SCK: U2.19 U4.4 U6.4 U8.4 U10.4 | length 181.2
  Top Layer w0.3: U6.4 38.338,44.378 38.338,62.375 ; U8.4 33.253,67.46 38.338,62.375 ; U10.4 32.745,98.785 32.745,127.135 U4.4 ; v1(41.75,69.325) v1(41.75,80.325) ; U2.19 104.75,62.375 38.338,62.375
  Bottom Layer w0.3: U8.4 33.285,69.325 v1(41.75,69.325) ; U10.4 41.75,87.13 v1(41.75,80.325)
pads on no net: "TH1.Mounting Hole Non-Plated" "TH2.Mounting Hole Non-Plated" "TH3.Mounting Hole Non-Plated" "TH4.Mounting Hole Non-Plated" U2.3 U2.4 U2.5 U2.6 U2.7 U2.8 U2.11 U2.12 U2.15 U2.16 U2.17 U2.31 U2.33 U2.35 U2.36 U2.37 U2.38 U2.39 U2.40 U2.41 U2.49 U2.50 U2.52 U2.53 U4.2 U4.8 U4.9 U4.10 U4.11 U6.2 U6.8 U6.9 U6.10 U6.11 U8.2 U8.8 U8.9 U8.10 U8.11 U10.2 U10.8 U10.9 U10.10 U10.11 U16.1 U16.2 U16.3 U16.4 U16.5 U16.6

## Polygon pours and split planes (outlines as drawn)
GND on GND (split plane): 214.49,0.51 0.51,0.51 0.51,186.99 214.49,186.99
3.3V on PWR (split plane): 37.371,149.246 37.371,0.51 0.51,0.51 0.51,149.246
5V on PWR (split plane): 214.49,0.51 37.629,0.51 37.63,149.246 214.49,149.246
12V on PWR (split plane): 214.49,149.504 37.5,149.504 0.51,149.504 0.51,186.99 214.49,186.99

## Other copper
PWR (plane layer: these items are gaps in the copper):
  lines w0.254: 0.125,149.375 37.5,149.375 ; 0.15,187.375 214.95,187.375 ; 47.2,0.3 37.5,0.3 37.5,149.375 ; 215,149.375 37.5,149.375

## Silkscreen, mask and mechanical layers (free items; w line width, h text height)
Top Overlay:
  drawing of 315 lines, arcs and shapes, not listed
Bottom Overlay:
  text "UTSA" at 201.5,176 h5
  text "Linda" at 203,168 h5
  text "Ground Support" at 210.5,163 h3
Board:
  the board outline again, w0.254

## Text inside footprints (layer, text, board x,y; h text height)
J1: Top Overlay "GND" at 60.3,30.334 h2 r90; Top Overlay "5V" at 60.3,5.834 h2 r90; Top Overlay "2" at 56,35.834 h2 r90; Top Overlay "1" at 56,3.167 h2 r90
R1: Top Overlay "TRIM POT" at 143.61,155.6 h0.5 r90; Top Overlay "10 KOHMS" at 151.86,155.6 h0.5 r90
R2: Top Overlay "TRIM POT" at 103.61,155.6 h0.5 r90; Top Overlay "10 KOHMS" at 111.86,155.6 h0.5 r90
R3: Top Overlay "TRIM POT" at 63.61,155.6 h0.5 r90; Top Overlay "10 KOHMS" at 71.86,155.6 h0.5 r90
R4: Top Overlay "TRIM POT" at 23.57,155.6 h0.5 r90; Top Overlay "10 KOHMS" at 31.82,155.6 h0.5 r90
U2: Top Overlay "SDA" at 81.2,76.092 h0.4 r90; Top Overlay "SCL" at 78.66,76.092 h0.4 r90; Top Overlay "D39" at 104.06,76.092 h0.4 r90; Top Overlay "D33" at 119.3,76.092 h0.4 r90; Top Overlay "GND" at 96.44,76.092 h0.4 r90; Top Overlay "GND" at 60.88,67.749 h0.4 r90; Top Overlay "3.3V" at 65.96,75.925 h0.4 r90; Top Overlay "D2" at 68.5,66.292 h0.4 r90; Top Overlay "GND" at 105.09,71.092 h0.4 r90; Top Overlay "VBAT" at 105.09,65.892 h0.4 r90; Top Overlay "5V/VIN" at 60.865,75.225 h0.4 r90; Top Overlay "D12" at 93.59,66.125 h0.4 r90; Top Overlay "3.3V" at 105.09,68.425 h0.4 r90; Top Overlay "GND" at 63.42,76.092 h0.4 r90; Top Overlay "3.3V" at 96.44,65.925 h0.4 r90; Top Overlay "A9" at 68.5,76.292 h0.4 r90
U4: Top Overlay "MAX31856" at 31.298,145.5 h2 r180; Top Overlay "VIN" at 37.05,121.34 h1 r180
U6: Top Overlay "MAX31856" at 31.298,54.5 h2 r180; Top Overlay "VIN" at 37.05,30.34 h1 r180
U8: Top Overlay "MAX31856" at 31.298,84.5 h2 r180; Top Overlay "VIN" at 37.05,60.34 h1 r180
U10: Top Overlay "MAX31856" at 31.298,114.5 h2 r180; Top Overlay "VIN" at 37.05,90.34 h1 r180
U14: Top Overlay "Pressure" at 153.789,166 h2 r180; Top Overlay "1" at 162.958,166 h2 r180; Top Overlay "3" at 130.291,166 h2 r180; Top Overlay "VIN" at 161.124,170.3 h2 r180; Top Overlay "SIG/CS" at 138.623,170.3 h2 r180; Top Overlay "2" at 146.894,174.5 h2 r180; Top Overlay "GND" at 148.791,183 h2 r180
U15: Top Overlay "Pressure" at 113.964,166 h2 r180; Top Overlay "1" at 123.133,166 h2 r180; Top Overlay "3" at 90.466,166 h2 r180; Top Overlay "VIN" at 121.299,170.3 h2 r180; Top Overlay "SIG/CS" at 98.798,170.3 h2 r180; Top Overlay "2" at 107.069,174.5 h2 r180; Top Overlay "GND" at 108.966,183 h2 r180
U16: Top Overlay "HX711" at 16.835,4.2 h2
U18: Top Overlay "Pressure" at 74.864,166 h2 r180; Top Overlay "1" at 84.033,166 h2 r180; Top Overlay "3" at 51.366,166 h2 r180; Top Overlay "VIN" at 82.199,170.3 h2 r180; Top Overlay "SIG/CS" at 59.698,170.3 h2 r180; Top Overlay "2" at 67.969,174.5 h2 r180; Top Overlay "GND" at 69.866,183 h2 r180
U19: Top Overlay "Pressure" at 35.164,166 h2 r180; Top Overlay "1" at 44.333,166 h2 r180; Top Overlay "3" at 11.666,166 h2 r180; Top Overlay "VIN" at 42.499,170.3 h2 r180; Top Overlay "SIG/CS" at 19.998,170.3 h2 r180; Top Overlay "2" at 28.269,174.5 h2 r180; Top Overlay "GND" at 30.166,183 h2 r180